# Altium PCB STM32F405.PcbDoc (part 2 of 3) (continued)
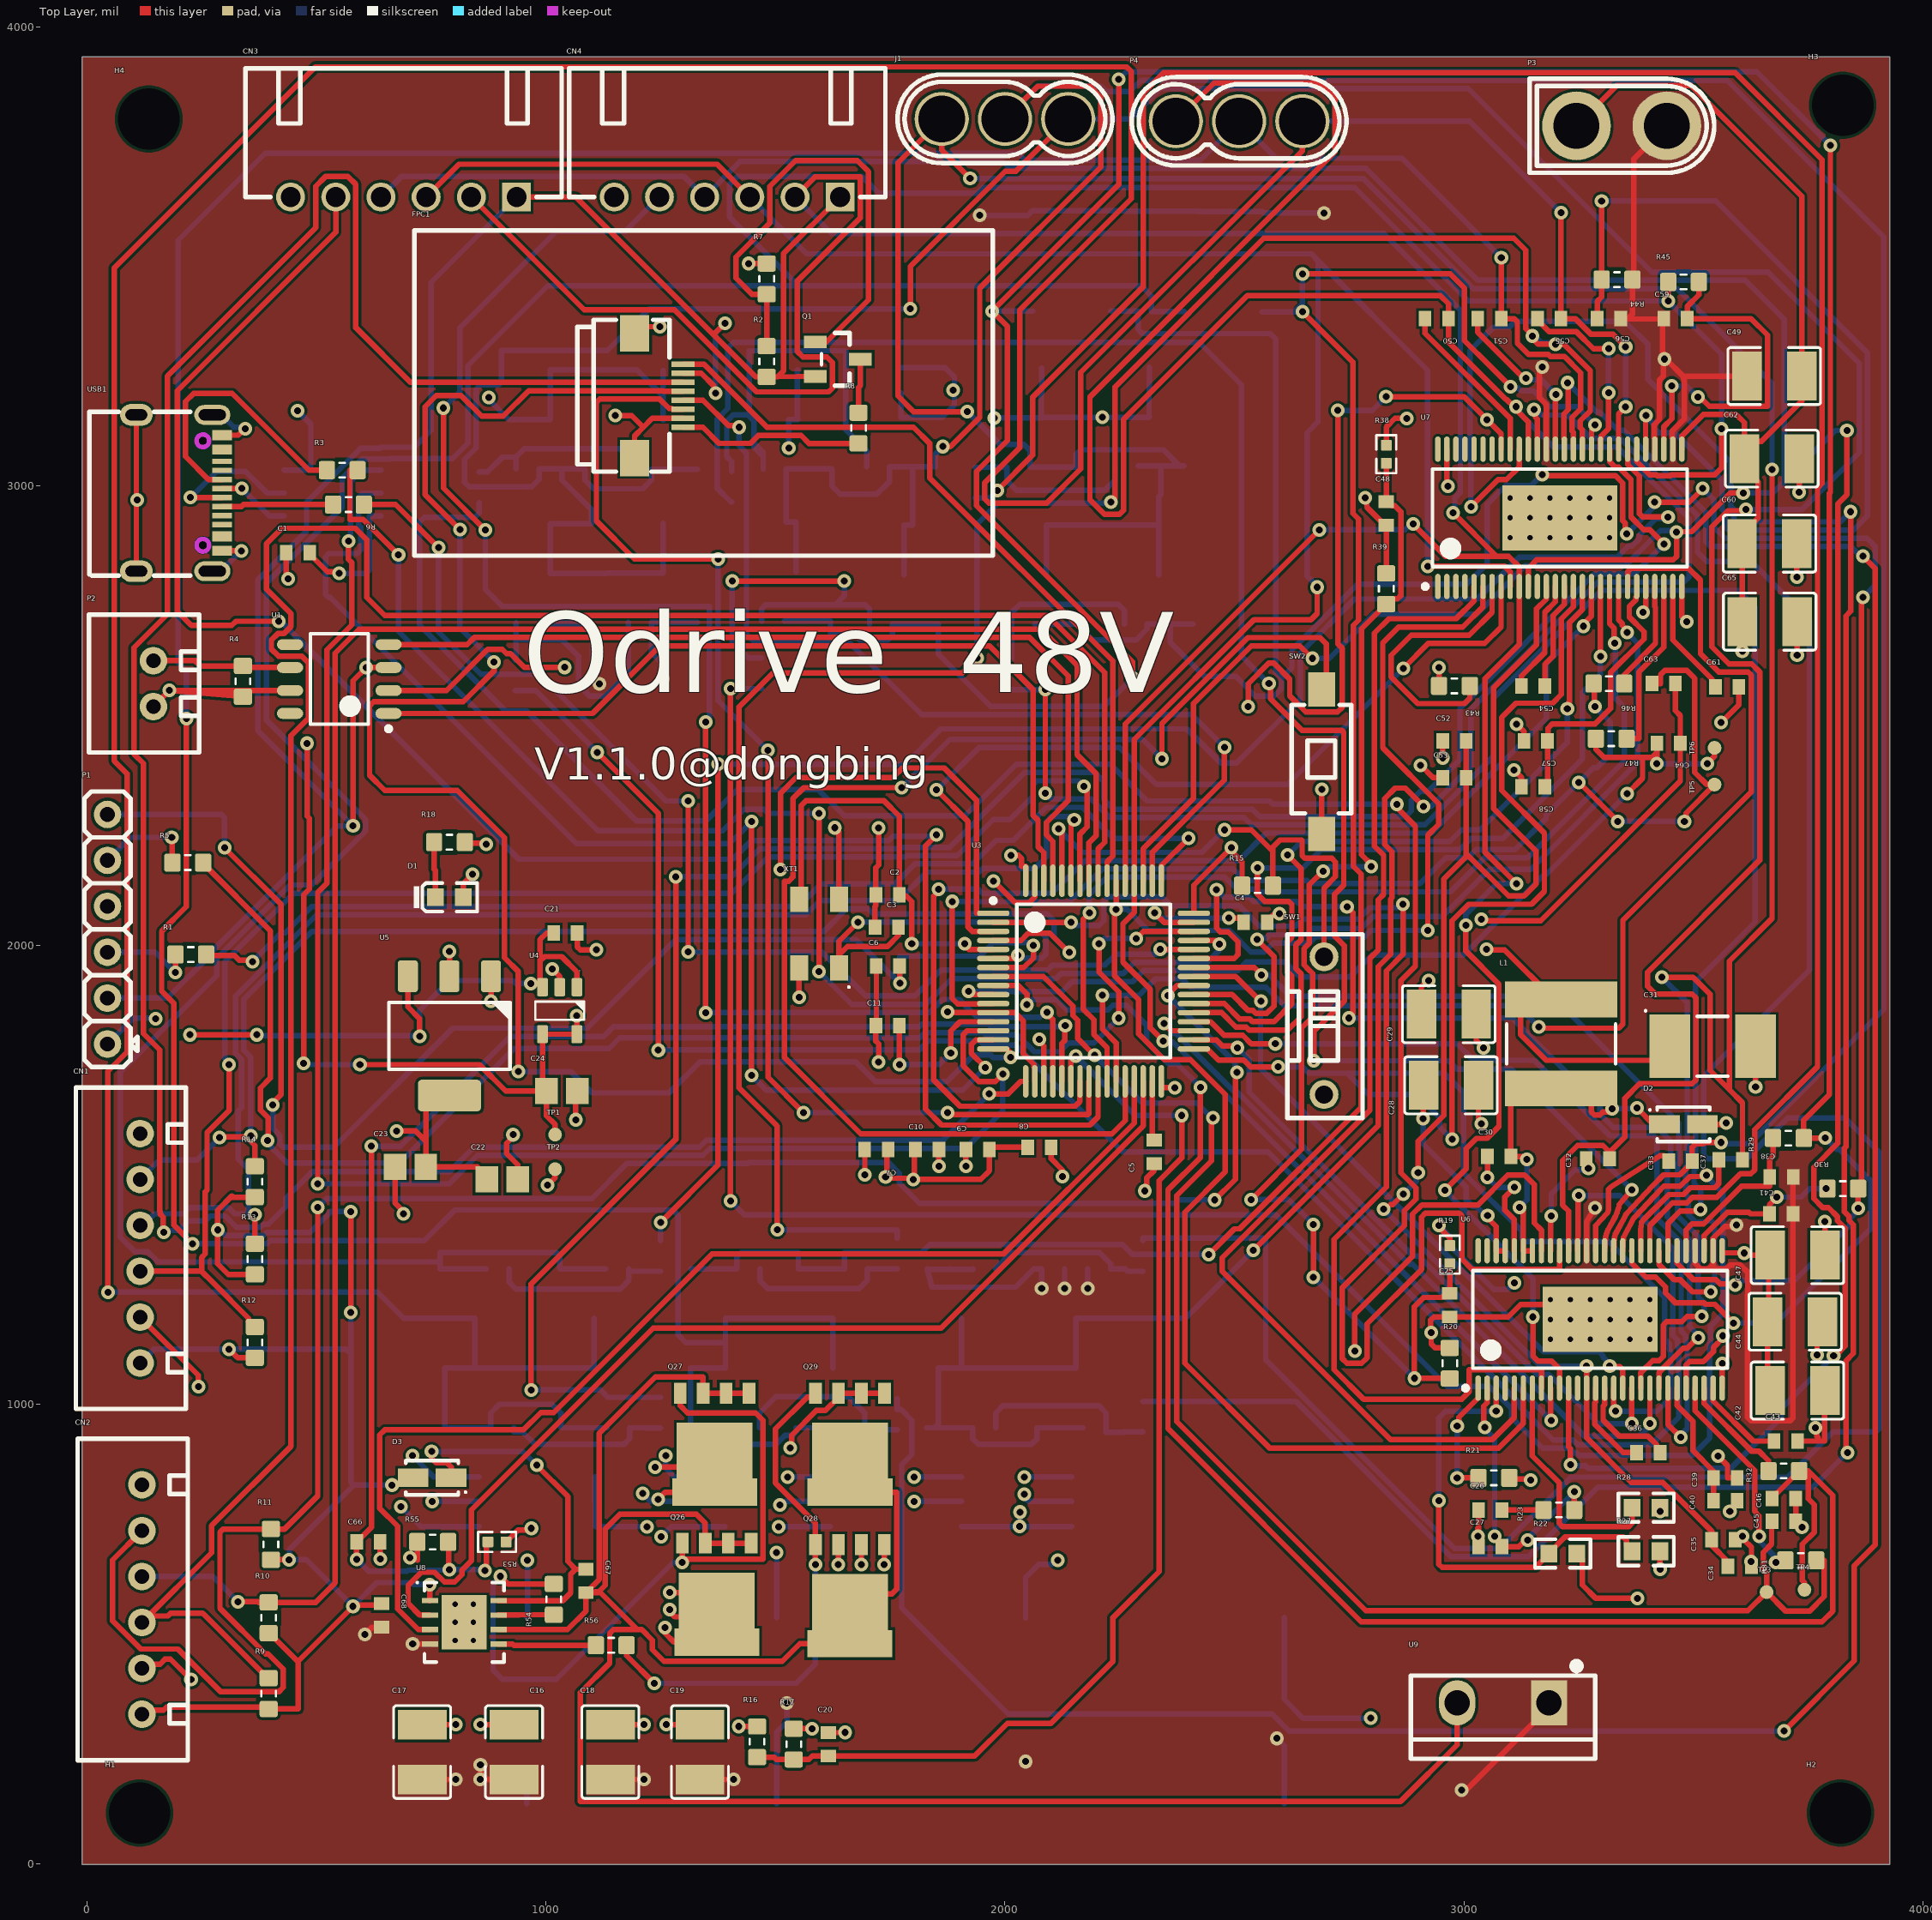
[diagram p0: Top Layer view]
## Nets (pads, with @x,y where several pads share a name; then routed paths per layer and width w, separated by ;. In a path a pad name is that pad's centre, name@x,y a point inside that pad or via, vN(x,y) a via of type N, cw(c..) or ccw(c..) an arc to the next point about the centre after c; other vN are vias at no path point) (continued)
M0_ENC_A_4: CN2.3 R9.1 U3.56 | length 5437.4
  Top Layer w12: CN2.3@120,525 272,677 272,735.92 445,908.92 445,2456.88 483.26,2495.14 483.26,2614.86 468.12,2630 417.31,2630 402.17,2645.14 402.17,2664.86 416.12,2678.81 429.18,2678.81 445,2694.63 445,2722.38 390.99,2776.39 390.99,2874.39 424.99,2908.39 584.99,2908.39 609.99,2883.39 609.99,2757.39 648.99,2718.39 2092.8,2718.39 2216.99,2594.2 2216.99,2224.12 2202.78,2209.91 U3.56@2202.78,2140.56 ; CN2.3@134.35,539 176.49,539 182.49,545 252.61,545 394.15,403.46 R9.1@396.12,403.46
M0_ENC_B_4: CN2.4 R10.1 U3.57 | length 4650.9
  Top Layer w12: v1(329.4,570) 372.87,570 374.4,568.46 R10.1@396.12,568.46 498.46,568.46 541,611 541,2636.4 592.99,2688.39 2078.72,2688.39 2156.96,2610.14 2156.96,2415.41 2198.99,2373.39 2198.99,2239.39 2183.1,2223.5 U3.57@2183.1,2140.56
  Bottom Layer w12: CN2.4@120,625 274.4,625 v1(329.4,570)
M0_ENC_Z_4: CN2.5 R11.1 U3.40 | length 4576.5
  Top Layer w12: CN2.5@120,725 55.99,660.99 55.99,528.56 117.54,467 198.56,467 291.82,373.75 418.18,373.75 427.8,383.37 427.8,423.56 394.84,456.51 389.36,456.51 290,555.88 290,721.43 297.03,728.46 R11.1@401.12,728.46 431.06,728.46 502.99,800.39 v1(502.99,1429.39) ; v1(2354.99,1890.39) 2354.99,1892.39 2374.82,1912.22 U3.40@2411.44,1912.22 ; v1(2456.99,1445.39) 2501.99,1490.39 2501.99,1719.89 v1(2505,1722.9)
  Bottom Layer w12: v1(502.99,1429.39) 521.99,1448.39 1099.99,1448.39 1175.99,1524.39 1439.78,1524.39 1442.39,1527 1746.18,1527 1770,1503.18 1770,1481.82 1813.82,1438 2369.27,1438 2376.66,1445.39 v1(2456.99,1445.39) ; v1(2354.99,1890.39) 2501.56,1743.82 2501.56,1726.34 v1(2505,1722.9)
M0_nCS_4: U3.2 U6.8 | length 2640.6
  Top Layer w12: U3.2@1974.43,2050.02 v1(2143.86,2050.02) ; v1(2866.99,2089.39) 2866.99,1980.39 2830.99,1944.39 2830.99,1473.39 2716.99,1359.39 2716.99,1075.39 2780.99,1011.39 2994.99,1011.39 3010.99,1027.39 3010.99,1075.39 3168.58,1075.39 U6.8@3168.58,1035.39
  Bottom Layer w12: v1(2143.86,2050.02) 2150.49,2043.39 2205.15,2043.39 2215.15,2053.39 2215.15,2095.55 2224.99,2105.39 2341.99,2105.39 2360.99,2086.39 2509.99,2086.39 2554.62,2041.76 2633.04,2041.76 2648.29,2057 2770.1,2057 2794.99,2081.89 2859.49,2081.89 v1(2866.99,2089.39)
M0_SO1_4: C45.2 R31.2 TP3.1 U3.8 | length 3226.1
  Top Layer w12: U3.8@1974.43,1931.9 2083.47,1931.9 2147.99,1867.39 2147.99,1846.94 2158.36,1836.57 2158.36,1797.02 v1(2194.99,1760.39) ; v1(2452.91,1624.6) 2449.6,1621.29 2449.6,1530.6 2374,1455 2374,962.38 2785.99,550.39 3618.24,550.39 TP3.1@3659.02,591.17 ; C45.2@3670.94,745 3669.99,744.04 3669.99,695.83 3651.96,677.8 3651.96,639.36 3659.02,632.3 TP3.1@3659.02,591.17 ; R31.2@3766.93,660 3766.93,660.39 3784.53,660.39 3784.53,581.39 3752.53,549.39 3700.8,549.39 TP3.1@3659.02,591.17
  Bottom Layer w12: v1(2194.99,1760.39) 2298.99,1656.39 2417.8,1656.39 2449.6,1624.6 v1(2452.91,1624.6)
M0_SO2_4: C46.2 R32.2 TP4.1 U3.9 | length 3711.1
  Top Layer w12: U3.9@1974.43,1912.22 2029.16,1912.22 2047.99,1893.39 v1(2047.99,1870.39) ; v1(2425.91,1690.91) 2425.91,1538.12 2354.99,1467.2 2354.99,947.39 2775.99,526.39 3779.99,526.39 3802.99,549.39 3802.99,802 3749.99,855 ; C46.2@3670.94,795 3670.94,797.95 3678.72,805.73 3680.73,805.73 3716.32,841.32 3718.28,841.32 3730,853.03 R32.2@3730,855 3749.99,855 ; TP4.1@3741.53,596.17 3741.53,611.84 3736.99,616.39 3736.99,695.17 3762.92,721.1 3762.92,781.58 3749.99,794.52 3749.99,855
  Bottom Layer w12: v1(2047.99,1870.39) 2058.94,1881.34 2111.95,1881.34 2133.9,1859.39 2224.99,1859.39 2234.99,1869.39 2264.99,1869.39 2309.18,1825.2 2309.18,1789 2356.51,1741.68 2375.14,1741.68 v1(2425.91,1690.91)
M0_TEMP_4: C25.2 C48.2 R19.1 R20.2 R38.1 R39.2 | length 2825.9
  Top Layer w12: v1(2536.58,1446.02) 2645.99,1555.43 2645.99,1819.85 2670,1843.87 2670,1938.49 2661,1947.49 2651.5,1956.98 2651.5,1993.02 2661,2002.51 2663,2004.51 2663,2131.67 v1(2692.99,2161.65) ; v1(2671.89,1276.89) v1(2671.89,1391.89) ; v1(2797.87,2171.28) 2797.87,2176.15 2776.99,2197.03 2776.99,2689.47 2816.91,2729.39 2816.91,2731.36 2828.62,2743.07 R39.2@2830.59,2743.07 2842.19,2754.67 2855.26,2754.67 2862.29,2761.7 2862.29,2944.17 2849.19,2957.26 2842.47,2957.26 2833.55,2966.18 C48.2@2830.59,2966.18 R38.1@2830.59,3050 ; R20.2@2969.02,1056.17 2968.66,1056.53 2892.24,1056.53 v1(2891.89,1056.89) 2891.89,1212.65 2912.07,1232.84 2951.25,1232.84 2952.4,1233.98 2961.24,1233.98 C25.2@2969.02,1241.76 R19.1@2969.02,1306.48
  Bottom Layer w12: v1(2536.58,1446.02) 2617.75,1446.02 v1(2671.89,1391.89) ; v1(2671.89,1276.89) v1(2891.89,1056.89) ; v1(2692.99,2161.65) 2697.86,2161.65 2707.48,2171.28 v1(2797.87,2171.28)
  other v1: 2671.89,1276.89
M0_TEMP（ENC_CS0）_4: CN3.5 U3.25 | length 4034.7
  Top Layer w12: v1(418,2705.81) 324.85,2705.81 315.85,2696.81 227.57,2696.81 196.99,2727.39 196.99,3208.01 542.36,3553.39 CN3.5@542.36,3630 ; v1(1850.99,2240.39) 1827,2216.4 1827,1643.38 1861.99,1608.39 2184.99,1608.39 2202.78,1626.18 U3.25@2202.78,1703.56
  Bottom Layer w12: v1(418,2705.81) 422.57,2705.81 940.99,2187.39 1406.99,2187.39 1447.99,2228.39 1746.99,2228.39 1755.99,2237.39 1847.99,2237.39 v1(1850.99,2240.39)
M1_AH_4: U3.37 U7.17 | length 1698.5
  Top Layer w12: U3.37@2411.44,1853.16 2471.98,1853.16 2503.24,1821.9 2525.3,1821.9 2531.66,1815.55 2616.22,1815.55 2645,1844.32 2645,1938.03 2643,1940.03 2633.5,1949.53 2633.5,2000.47 2643,2009.97 2645,2011.97 2645,2167.38 v1(2615.99,2196.39) ; v1(3225,2515) 3228.44,2518.44 3228.44,2529.47 3230,2531.03 3230,2703.18 3257.95,2731.14 U7.17@3257.95,2781.56
  Bottom Layer w12: v1(2615.99,2196.39) 2645.99,2226.39 2969.35,2226.39 2994.43,2251.47 3034.2,2251.47 3225,2442.27 v1(3225,2515)
M1_AL_4: U3.23 U7.18 | length 2624.1
  Top Layer w12: v1(1854.99,2122.39) 1854.99,2117.52 1845,2107.53 1845,1706.38 1901.99,1649.39 2152.99,1649.39 2163.41,1659.81 U3.23@2163.41,1703.56 ; v1(3260,2695) 3260,2699.87 3277.64,2717.51 U7.18@3277.64,2781.56
  Bottom Layer w12: v1(1854.99,2122.39) 1941.73,2122.39 1951.12,2113 2102.6,2113 2173.99,2184.39 2508.99,2184.39 2568.99,2244.39 2928.99,2244.39 3178.99,2494.39 3178.99,2613.99 v1(3260,2695)
M1_BH_4: U3.38 U7.19 | length 1809.1
  Top Layer w12: U3.38@2411.44,1872.85 2477.75,1872.85 2510.7,1839.9 2532.76,1839.9 2539.11,1833.55 2585.95,1833.55 2625,1872.59 2625,1932.58 2615.5,1942.07 2615.5,2007.93 2625,2017.42 2625,2088.73 2617.97,2095.76 2565.93,2095.76 2549.99,2111.7 v1(2549.99,2168.39) ; v1(3297.31,2628.98) U7.19@3297.32,2781.56
  Bottom Layer w12: v1(2549.99,2168.39) 2648.99,2168.39 2688.99,2208.39 2990.35,2208.39 3014.35,2232.39 3083.99,2232.39 3258,2406.4 3258,2551 3293.51,2586.51 3296.99,2589.98 3297.03,2594.9 v1(3297.31,2628.98)
M1_BL_4: U3.26 U7.20 | length 2139.2
  Top Layer w12: v1(2183.99,2070.39) 2170.86,2057.26 2170.86,1860.52 2193.99,1837.39 2193.99,1805.39 2222.47,1776.91 U3.26@2222.47,1703.56 ; U7.20@3317.01,2781.56 3317.01,2700.37 3326.56,2690.82 3326.56,2659.54 v1(3327.88,2658.21)
  Bottom Layer w12: v1(2183.99,2070.39) 2183.99,2110.23 2222.15,2148.39 2478.99,2148.39 2504.99,2122.39 2544.99,2122.39 2550.99,2116.39 2970.35,2116.39 3044.35,2190.39 3138.29,2190.39 3349.06,2401.16 3349.06,2518.62 3330,2537.67 3330,2656.09 v1(3327.88,2658.21)
M1_CH_4: U3.39 U7.21 | length 1748
  Top Layer w12: U3.39@2411.44,1892.54 2495.03,1892.54 2529.67,1857.9 2540.21,1857.9 2546.57,1851.55 2569.95,1851.55 2585.99,1867.58 2585.99,1975.39 v1(2548.99,2012.39) ; U7.21@3336.69,2781.56 3336.69,2708.93 3344.56,2701.07 3344.56,2697.13 3355.42,2686.26 v1(3355.42,2681.39)
  Bottom Layer w12: v1(2548.99,2012.39) 2552.43,2015.83 2569.87,2015.83 2577.03,2023 2656.03,2023 2669.54,2036.5 2775.52,2036.5 2801.41,2062.39 2952.35,2062.39 3055.35,2165.39 3145.39,2165.39 3378.32,2398.32 3378.32,2657.63 3355.42,2680.53 v1(3355.42,2681.39)
M1_CL_4: U3.27 U7.22 | length 2767.1
  Top Layer w12: v1(2212.53,1890.93) 2212.53,1816.89 2242.15,1787.27 U3.27@2242.15,1703.56 ; v1(3162.77,1821.87) 3165.26,1819.39 3336.99,1819.39 3345.98,1828.38 3345.98,2054.38 3625.99,2334.39 3625.99,2587.97 3618.96,2595 3555,2595 3515,2635 3515,2795.38 3488.99,2821.39 3364.38,2821.39 3356.38,2813.39 U7.22@3356.38,2781.56
  Bottom Layer w12: v1(2212.53,1890.93) 2292.14,1890.93 2328.01,1926.8 2385.99,1926.8 2404.21,1908.59 2568.6,1908.59 2608.8,1868.39 3116.26,1868.39 v1(3162.77,1821.87)
M1_ENC_A_4: CN1.3 R12.1 U3.58 | length 3276.5
  Top Layer w12: CN1.3@116.12,1290 250,1290 ; v1(310,1740) 310,1640.06 262.06,1592.12 262.06,1466.83 258,1462.77 258,1327.59 250,1319.59 250,1290 ; R12.1@366.12,1168.46 364.15,1168.46 352.43,1180.18 352.43,1187.57 275,1265 250,1290 ; U3.58@2163.41,2140.56 2163.41,2242.54 2178.99,2258.12 2178.99,2339.39 v1(2171.99,2346.39)
  Bottom Layer w12: v1(310,1740) 310,1744.87 301,1753.87 301,1964.18 450.19,2113.38 1404.98,2113.38 1483.99,2192.39 1782.99,2192.39 1785.99,2195.39 1895.99,2195.39 1974.51,2273.91 2010.47,2273.91 2060.99,2324.43 2060.99,2349.39 2069.99,2358.39 2159.99,2358.39 v1(2171.99,2346.39)
M1_ENC_B_4: CN1.4 R13.1 U3.59 | length 3000.1
  Top Layer w12: R13.1@366.12,1350 v1(366.12,1412.82) ; U3.59@2143.73,2140.56 2143.73,2152.09 2143.99,2152.09 2143.99,2266.39 v1(2150.99,2273.39)
  Bottom Layer w12: CN1.4@116.12,1390 122.15,1390 147.15,1415 210.9,1415 224.29,1428.39 308.64,1428.39 322.03,1415 v1@352.51,1415 ; v1(366.12,1412.82) 363.94,1415 v1@352.51,1415 ; v1(2150.99,2273.39) 2143.99,2280.39 2100.99,2280.39 2089.99,2269.39 2089.99,2192.39 2064.6,2167 1951.1,2167 1943.49,2159.39 1829.99,2159.39 1767.99,2097.39 1597.01,2097.39 1566.01,2066.39 500.93,2066.39 324,1889.46 324,1764.18 337,1751.18 337,1646.1 330,1639.1 330,1534.01 352.51,1511.5 v1@352.51,1415
M1_ENC_Z_4: CN1.5 R14.1 U3.4 | length 2783.4
  Top Layer w12: v1(289.06,1580.94) 291.09,1582.97 348.69,1582.97 350,1584.29 v1@350,1585 ; v1(357,1585) v1@350,1585 ; R14.1@366.12,1521.83 366.12,1564.01 350,1580.13 v1@350,1585 ; U3.4@1974.43,2010.64 2034.99,2010.64 2050.73,2026.39 2097.99,2026.39 v1(2139.99,1984.39)
  Bottom Layer w12: CN1.5@116.12,1490 158.12,1532 240.12,1532 v1(289.06,1580.94) ; v1(357,1585) 357,1756.64 342,1771.64 342,1882 490.39,2030.39 1605.99,2030.39 1654.99,2079.39 1701.99,2079.39 1712.99,2068.39 2091.99,2068.39 2106.99,2053.39 2106.99,2017.39 v1(2139.99,1984.39)
M1_nCS_4: U3.3 U7.8 | length 1917.1
  Top Layer w12: v1(1850.99,2338.39) 1918.99,2270.39 1918.99,2040.33 1928.99,2030.33 U3.3@1974.43,2030.33 ; v1(2867.99,2603.39) 2921.99,2657.39 3044.79,2657.39 3080.79,2693.39 U7.8@3080.79,2781.56
  Bottom Layer w12: v1(1850.99,2338.39) 1942.99,2430.39 2249.99,2430.39 2329.99,2350.39 2614.99,2350.39 v1(2867.99,2603.39)
M1_SO1_4: C63.2 R46.2 TP5.1 U3.11 | length 2827.1
  Top Layer w12: v1(1884.99,2095.39) 1884.99,1884.39 1896.99,1872.39 1943.53,1872.39 1943.99,1872.85 U3.11@1974.43,1872.85 ; v1(3250,2355) v1(3335,2270) ; R46.2@3282.13,2570 3283.56,2568.56 3283.56,2521.44 v1(3285,2520) ; C63.2@3409.41,2570 3428.1,2570 3428.1,2589.39 3437.45,2598.74 3485.25,2598.74 3502.59,2581.39 3502.59,2530.14 3502.59,2427.65 3502.59,2376.4 3528.99,2350 TP5.1@3545.59,2350 3483.44,2287.85 3483.44,2273.44 v1(3480,2270)
  Bottom Layer w12: v1(1884.99,2095.39) 1943.28,2095.39 1943.67,2095 2140.6,2095 2211.99,2166.39 2496.99,2166.39 2521.99,2141.39 2657.99,2141.39 2664.72,2134.65 2904.07,2134.65 2959.81,2190.39 3008.35,2190.39 3026.35,2208.39 3111.05,2208.39 3178.81,2276.14 3178.81,2283.81 v1(3250,2355) 3282.13,2387.13 3289.8,2387.13 3318.49,2415.82 3318.49,2486.51 v1(3285,2520) ; v1(3335,2270) v1(3480,2270)
M1_SO2_4: C64.2 R47.2 TP6.1 U3.10 | length 2151.7
  Top Layer w12: v1(1920.99,1899.39) 1927.84,1892.53 U3.10@1974.43,1892.53 ; R47.2@3287.13,2450 3287.13,2427.11 3304.99,2409.25 3388.99,2409.25 ; v1(3355,2330) 3388.99,2363.99 3388.99,2409.25 ; v1(3420,2395.39) 3420,2420.26 ; C64.2@3420,2440 3420,2420.26 ; v1(3529.59,2395.39) 3545.59,2411.39 TP6.1@3545.59,2430 ; 3388.99,2409.25 3408.99,2409.25 3420,2420.26
  Bottom Layer w12: v1(1920.99,1899.39) 2124.99,1899.39 2145.99,1920.39 2277.58,1920.39 2301.99,1944.8 2507.4,1944.8 2525.99,1963.39 2609.99,1963.39 2641.99,1931.39 2751.99,1931.39 2798.99,1978.39 2998.39,1978.39 3172.47,2152.47 3177.47,2152.47 v1(3355,2330) ; v1(3420,2395.39) v1(3529.59,2395.39)
M1_TEMP（ENC_CS1）_4: CN4.5 U3.20 | length 3498.8
  Top Layer w12: v1(776.99,3170.39) 776.99,2995.55 v1(868.2,2904.34) ; v1(1347.99,1853.39) v1(1347.99,2486.39) ; v1(2091.87,1854.23) 2091.87,1850.69 2104.36,1838.2 U3.20@2104.36,1703.56
  Bottom Layer w12: v1(776.99,3170.39) 777.32,3170.39 812.32,3205.39 812.32,3344.72 1022.99,3555.39 1172.75,3555.39 CN4.5@1247.36,3630 ; v1(868.2,2904.34) 868.2,2775.18 904.99,2738.39 1355.99,2738.39 1355.99,2494.39 v1(1347.99,2486.39) ; v1(1347.99,1853.39) 1835.21,1853.39 1863.82,1882 1900.2,1882 1936.2,1846 1986.68,1846 1989.29,1843.39 2076.16,1843.39 2087,1854.23 v1(2091.87,1854.23)
NetC1_2: C1.2 U2.8 | length 296.9
  Top Layer w12: C1.2@485.59,2855 485.59,2852.05 524.19,2813.44 546.56,2813.44 v1(550,2810)
  Bottom Layer w12: v1(550,2810) 608.33,2810 615.36,2817.03 615.36,2935 U2.8@641.22,2935
NetC2_1: C2.1 U3.5 XT1.3 | length 923.3
  Top Layer w12: XT1.3@1551.69,2099.8 1551.69,2113.49 1555.99,2113.49 1555.99,2304.09 1566.49,2314.59 1736.78,2314.59 1770,2281.38 C2.1@1770,2110 1770,2107.39 1784.99,2107.39 1796.99,2095.39 v1(1796.99,2003.39) ; v1(1911.99,2003.39) 1911.99,1999.96 1920.99,1990.96 U3.5@1974.43,1990.96
  Bottom Layer w12: v1(1796.99,2003.39) v1(1911.99,2003.39)
NetC3_1: C3.1 U3.6 XT1.1 | length 866.6
  Top Layer w12: XT1.1@1638.31,1950.2 1638.31,1978.71 ; v1(1679.99,2050.39) 1638.31,2008.71 1638.31,1978.71 ; C3.1@1768.2,2039.44 1768.2,2021.39 1744.2,1997.39 1656.99,1997.39 1638.31,1978.71 ; U3.6@1974.43,1971.27 2020.87,1971.27 v1(2027.99,1978.39)
  Bottom Layer w12: v1(1679.99,2050.39) 2056.99,2050.39 2088.99,2018.39 2088.99,1980.39 2080.99,1972.39 2033.99,1972.39 v1(2027.99,1978.39)
NetC4_2: C4.2 U3.47 | length 305.6
  Top Layer w12: v1(2325.84,2070.89) 2346.71,2050.01 U3.47@2411.44,2050.01 ; v1(2487.99,2059.39) 2520,2059.39 C4.2@2520,2050
  Bottom Layer w12: v1(2325.84,2070.89) 2324.34,2069.39 2334.34,2059.39 v1(2487.99,2059.39)
NetC5_2: C5.2 U3.31 | length 132.1
  Top Layer w12: U3.31@2320.89,1703.56 2320.89,1575.59 C5.2@2325,1575.59
NetC11_2: C11.2 U3.13 | length 355.9
  Top Layer w12: v1(1770,1740.39) C11.2@1770,1825 ; v1(1881.99,1765) 1881.99,1813.39 1902.08,1833.48 U3.13@1974.43,1833.48
  Bottom Layer w12: v1(1770,1740.39) 1857.38,1740.39 v1(1881.99,1765)
NetC26_1: C26.1 R23.1 | length 90.4
  Top Layer w12: C26.1@3082.71,770 R23.1@3173.07,770
NetC27_1: C27.1 R23.2 U6.2 | length 613.1
  Top Layer w12: v1(3045,950) 3043,952 3043,996.18 3050.38,1003.56 3050.38,1035.3 U6.2@3050.47,1035.39 ; v1(3066.72,713) 3066.72,708.95 3082.72,692.95 C27.1@3082.72,690 3119.18,690 3133.85,704.66 v1(3138.72,704.66) ; R23.2@3240,770 v1(3239.99,809.39)
  Bottom Layer w12: v1(3045,950) 3045,946.76 3066.72,925.05 v1(3066.72,713) ; v1(3138.72,704.66) 3138.72,708.12 v1(3239.99,809.39)
NetC30_1: C30.1 D2.K L1.1 U6.50 U6.51 | length 823.8
  Top Layer w12: v1(3120.99,1429.39) 3129.21,1421.17 U6.51@3129.21,1334.61 U6.50@3148.9,1334.61 ; v1(3136.99,1533.39) 3130.38,1540 C30.1@3102.13,1540 3102.13,1688.15 L1.1@3211.54,1688.15 3276.99,1688.15 3276.99,1637.39 3284.02,1630.36 3296.02,1630.36 3302.83,1637.17 3317.58,1637.17 3322.99,1642.58 v1(3322.99,1643.52) ; v1(3376.99,1645.39) 3412.38,1610 D2.K@3436.53,1610
  Bottom Layer w12: v1(3120.99,1429.39) 3136.99,1445.39 v1(3136.99,1533.39) ; v1(3322.99,1643.52) 3323.92,1644.46 3376.06,1644.46 v1(3376.99,1645.39)
NetC30_2: C30.2 U6.52 | length 268.1
  Top Layer w12: v1(3050.94,1494.6) C30.2@3050.94,1540 ; U6.52@3109.53,1334.61 3109.53,1402.39 3088.99,1422.93 3088.99,1452.06 v1(3109.53,1472.59)
  Bottom Layer w12: v1(3050.94,1494.6) 3072.95,1472.59 v1(3109.53,1472.59)
NetC32_2: C32.2 U6.48 | length 257.5
  Top Layer w12: U6.48@3188.27,1334.61 3188.27,1408.27 v1(3190,1410) ; C32.2@3265.94,1535 3273.16,1524.27 3268.37,1524.27 3268.37,1516.42 v1(3270.79,1514)
  Bottom Layer w12: v1(3190,1410) 3190,1458.69 3241.86,1510.56 3267.35,1510.56 v1(3270.79,1514)
NetC33_2: C33.2 U6.43 | length 302.6
  Top Layer w12: U6.43@3286.69,1334.61 3286.69,1389.27 3312,1416.82 3315,1425 3315,1468.53 3319.45,1472.98 3424.06,1539.47 cw(c3430.52,1529.37) 3424.13,1539.52 3427.03,1541.37 3430.52,1541.37 3435.49,1541.37 3438.02,1540.8 ccw(c3443.15,1551.65) 3438.16,1540.73 C33.2@3445.94,1530
NetC36_1: C36.1 U6.14 | length 196
  Top Layer w12: U6.14@3286.69,1035.39 3286.6,1035.3 3286.6,1005.24 3285,1003.64 3285,956.51 3346.51,895 C36.1@3375.94,895
NetC36_2: C36.2 U6.15 | length 234.6
  Top Layer w12: U6.15@3306.38,1035.39 3306.28,1035.3 3306.28,999.47 3303,996.18 3303,965.82 3338.43,930.39 3400.99,930.39 3418.99,912.39 3418.99,895 C36.2@3427.12,895
NetC37_2: C37.2 U6.38 | length 318.1
  Top Layer w12: U6.38@3385.12,1334.61 3385.12,1381.49 3386.8,1397.26 3390.5,1401.38 3390.94,1401.85 3446.1,1457 3477.99,1457 3492.99,1472 3546.18,1472 3555,1480.82 3555,1503.18 3554.65,1503.54 3554.65,1532.11 C37.2@3555.33,1532.79
NetC38_2: C38.2 R29.2 U6.33 | length 375.3
  Top Layer w12: U6.33@3483.54,1334.61 3483.54,1380.17 3496.38,1393 3522.05,1393 3603.95,1474.9 3665.94,1474.9 C38.2@3665.94,1495 3665.94,1533.39 3673.07,1540.52 R29.2@3673.07,1580
NetC39_1: C39.1 C40.1 U6.23 | length 278.4
  Top Layer w12: U6.23@3463.86,1035.39 3463.86,997.52 3498.99,962.39 3498.99,899.06 3543.66,854.39 C39.1@3543.66,840 C40.1@3543.66,790
NetC41_2: C41.2 R30.2 U6.31 | length 358.4
  Top Layer w12: U6.31@3522.91,1334.61 3523.01,1334.7 3523.01,1367.76 3573.16,1417.91 3621.16,1417.91 3624.07,1415 C41.2@3665.35,1415 3665.35,1435.39 v1(3681.35,1451.39) ; v1(3788.82,1470) R30.2@3791.53,1470
  Bottom Layer w12: v1(3681.35,1451.39) 3733.99,1451.39 3752.6,1470 v1(3788.82,1470)
NetC43_2: C43.2 U6.27 | length 197
  Top Layer w12: U6.27@3542.6,1035.39 3542.6,1007.36 3629.96,920 C43.2@3675.35,920
NetC50_2: C50.2 U7.48 | length 361.1
  Top Layer w12: C50.2@2915,3365 2915,3333.18 3100.47,3147.71 U7.48@3100.47,3080.77
NetC51_2: C51.2 U7.43 | length 375.4
  Top Layer w12: C51.2@3030,3365 3030,3335.38 3130.38,3235 v1(3135,3235) ; U7.43@3198.9,3080.77 3198.9,3198.9 v1(3200,3200)
  Bottom Layer w12: v1(3135,3235) 3138.44,3231.56 3168.44,3231.56 v1(3200,3200)
NetC54_1: C54.1 U7.14 | length 247.2
  Top Layer w12: C54.1@3125,2565 3125,2586.5 3176,2637.49 3176,2725.55 3198.8,2748.35 3198.8,2781.47 U7.14@3198.9,2781.56
NetC54_2: C54.2 U7.15 | length 234.1
  Top Layer w12: C54.2@3176.18,2565 3176.18,2612.22 3194,2630.04 3194,2718.1 3218.58,2742.68 U7.15@3218.58,2781.56
NetC55_2: C55.2 U7.38 | length 409.8
  Top Layer w12: C55.2@3160,3365 3160,3362.05 3185.78,3336.27 3245.11,3336.27 3281.99,3299.39 v1(3314.99,3299.39) ; U7.38@3297.32,3080.77 3297.32,3102.24 3299.1,3104.02 3299.1,3109.84 3314.99,3125.73 v1(3314.99,3203.21)
  Bottom Layer w12: v1(3314.99,3203.21) v1(3314.99,3299.39)
NetC56_2: C56.2 R44.2 U7.33 | length 2066.5
  Top Layer w12: C56.2@3290,3365 3290,3402.39 3299.74,3412.13 R44.2@3299.74,3449.99 v1(3299.74,3621.39) ; U7.33@3395.75,3080.77 3395.75,3102.24 3395.44,3102.54 3395.44,3153.19 v1(3396.7,3154.46)
  Bottom Layer w12: v1(3299.74,3621.39) 3547.99,3621.39 3878.99,3290.39 3878.99,2935.39 3847.99,2904.39 3576.03,2904.39 3569,2911.42 3569,2942.83 3562.54,2949.29 3562.54,3012.46 3458.99,3116.01 3424.44,3116.01 3415.96,3124.5 3415.96,3132.36 3396.7,3151.61 v1(3396.7,3154.46)
NetC57_1: C57.1 C58.1 U7.23 | length 578.8
  Top Layer w12: C58.1@3176.18,2345 3181.77,2350.59 C57.1@3181.77,2445 3182.7,2445.93 3182.7,2472.7 3192.41,2482.41 3285.6,2482.41 3318.99,2515.81 3318.99,2594.09 3391.99,2667.09 3391.99,2683.01 3360,2715 3360,2738.21 3374.28,2752.49 3374.28,2758.32 U7.23@3375.97,2760
NetC59_2: C59.2 R45.2 U7.31 | length 784.9
  Top Layer w12: U7.31@3435.02,3102.33 3434.81,3102.54 3434.81,3128.93 3452.67,3146.79 v1(3452.67,3218.36) ; v1(3509,3194.39) 3513.87,3194.39 3533.87,3174.39 3660.99,3174.39 3660.99,3329 3624.99,3365 C59.2@3486.18,3365 3486.18,3391.39 3511.67,3416.88 R45.2@3511.67,3444.99
  Bottom Layer w12: v1(3452.67,3218.36) 3453.27,3217.76 3485.63,3217.76 v1(3509,3194.39)
NetC61_2: C61.2 U7.27 | length 256.9
  Top Layer w12: U7.27@3454.8,2781.56 3454.8,2665.2 3539.74,2580.26 3539.74,2570.89 C61.2@3547.52,2563.11
NetC67_1: C67.1 Q26.S Q27.S Q28.D Q29.D U8.6 U9.2 | length 5383.4
  Top Layer w12: U8.6@896.81,509.5 1047.31,509.5 1087.2,549.39 C67.1@1087.2,589.66 ; Q27.S@1442.48,1024.34 Q27.S@1392.48,1024.34 Q27.S@1342.48,1024.34 1342.48,1059.39 1238.55,1059.39 1115.99,936.83 1115.99,618.44 C67.1@1087.2,589.66 ; Q26.S@1447.2,697.53 Q26.S@1397.2,697.53 Q26.S@1347.2,697.53 1347.2,741.39 1328.17,760.42 1160.99,760.42 1128.99,728.42 1128.99,605.66 1115.99,592.66 ; Q29.D@1662.48,917.06 Q29.D@1662.48,863.91 Q29.D@1662.48,808.79 1763.99,808.79 1763.99,597.39 1753.66,587.06 Q28.D@1662.2,587.06 Q28.D@1662.2,533.91 Q28.D@1662.2,478.79 1553.39,478.79 1514.99,440.39 1256.99,440.39 1231.99,465.39 1231.99,486.39 1208.99,509.39 1199.03,509.39 ; U9.2@2985,350 2985,258.39 2862,135.39 1074.99,135.39 1074.99,372.39 1138.99,436.39 1138.99,501.39 1146.99,509.39 1199.03,509.39 ; C67.1@1087.2,589.66 1115.99,592.66 ; C67.1@1087.2,589.66 1112.99,589.66 1115.99,592.66 ; 1115.99,592.66 1199.03,509.39
NetC67_2: C67.2 D3.K U8.8 | length 835
  Top Layer w12: v1(750.99,897.39) 750.99,882.39 760.99,872.39 784.99,872.39 793.99,863.39 793.99,840.25 D3.K@793.54,840.25 ; U8.8@896.81,572.49 1037.09,572.49 1053.99,589.39 1053.99,629.84 1064.99,640.84 ; v1(979.99,867.39) 1047.99,799.39 1047.99,657.84 1064.99,640.84 ; C67.2@1087.2,640.84 1064.99,640.84
  Bottom Layer w12: v1(750.99,897.39) 949.99,897.39 v1(979.99,867.39)
NetD1_K: D1.K R18.2 | length 121.3
  Top Layer w12: R18.2@756.54,2224.62 756.54,2165.54 759.69,2162.39 D1.K@759.69,2104.63
NetP1_3: P1.3 R1.1 | length 206
  Top Layer w12: v1(192.99,1940.47) 193.07,1940.55 R1.1@193.07,1980
  Bottom Layer w12: P1.3@45,1985 148.46,1985 v1(192.99,1940.47)
NetP1_5: P1.5 R5.1 | length 216.3
  Top Layer w12: v1(185,2235) 185.77,2234.23 185.77,2180.77 R5.1@186.53,2180
  Bottom Layer w12: P1.5@45,2185 95,2235 v1(185,2235)
NetP2_1: P2.1 R4.2 U1.7 | length 522.3
  Top Layer w12: P2.1@145,2520 v1(180,2555) ; R4.2@340,2541.54 v1(180,2555) ; U1.7@442.71,2555 v1(180,2555)
  Bottom Layer w12: P2.1@145,2520 v1(180,2555)
NetP2_2: P2.2 R4.1 U1.6 | length 306
  Top Layer w12: P2.2@145,2620 235.99,2620 247.53,2608.46 R4.1@340,2608.46 340,2605 U1.6@442.71,2605
NetQ1_1: Q1.1 R2.1 R7.2 | length 1106.7
  Top Layer w12: R2.1@1481.03,3305.1 1481.03,3361.39 R7.2@1481.02,3418.17 1448.99,3418.17 1413.99,3453.17 1413.99,3499.39 1487.99,3573.39 1487.99,3653.39 1543.99,3709.39 1678.56,3709.39 1702.56,3685.39 1702.56,3405.61 1610.99,3314.03 Q1.1@1586.81,3314.03
NetQ1_3: Q1.3 R8.2 | length 118.3
  Top Layer w12: R8.2@1681.02,3160.1 1681.02,3215.39 1685.24,3219.6 Q1.3@1685.24,3276.63
NetQ2_G: Q2.G Q3.G R24.1 | length 405.7
  Bottom Layer w12: R24.1@855,3031.03 873,3031.03 905.37,3063.4 932.99,3063.4 935,3061.39 ; Q2.G@935,3038.07 935,3061.39 ; Q3.G@1180,3036.54 1180,3062.38 1160.99,3081.39 952.99,3081.39 935,3063.4 935,3061.39
NetQ4_G: Q4.G Q5.G R25.1 | length 973.5
  Bottom Layer w12: R25.1@1405,3032.56 1405,3053.39 1393.99,3064.4 1393.99,3141.39 1407.99,3155.39 1439.65,3155.39 1453.65,3141.39 ; Q5.G@1473.33,3038.07 1473.33,3064.71 ; Q4.G@1698.78,3042.44 1698.78,3077.39 1652.99,3123.18 1652.99,3295.15 1442.99,3295.15 1442.99,3164.39 1453.65,3153.72 1453.65,3141.39 ; 1453.65,3094.07 1453.65,3141.39 ; 1453.65,3094.07 1453.65,3084.39 1473.33,3064.71 ; 1453.65,3094.07 1473.33,3074.39 1473.33,3064.71
NetQ6_G: Q6.G Q7.G R26.1 | length 382.9
  Bottom Layer w12: R26.1@1935,3041.03 1968.99,3041.03 1969.5,3041.54 Q6.G@2004.73,3041.54 2004.73,3011.65 2024.99,2991.39 2217.73,2991.39 2239.73,3013.39 Q7.G@2239.73,3043.98
NetQ8_G: Q8.G Q9.G R33.1 | length 388.3
  Bottom Layer w12: R33.1@2015,2624.1 Q8.G@2015,2700 2015,2725.39 2032.25,2742.64 2246.75,2742.64 2260,2729.39 Q9.G@2260,2700
NetQ10_G: Q10.G Q11.G R34.1 | length 816.2
  Top Layer w12: v1(1405.99,2793.39) v1(1649.99,2793.39)
  Bottom Layer w12: v1(1405.99,2793.39) 1405.99,2661.39 1441.35,2626.03 R34.1@1470,2626.03 ; Q10.G@1470,2706.54 1470,2733.39 1478,2741.39 1629.99,2741.39 ; v1(1649.99,2793.39) 1649.99,2761.39 1629.99,2741.39 ; Q11.G@1705,2700 1705,2732.39 1696,2741.39 1629.99,2741.39
NetQ12_G: Q12.G Q13.G R35.1 | length 551.4
  Bottom Layer w12: R35.1@932.79,2621.59 935,2621.59 935,2676.38 ; Q12.G@935,2702.69 935,2676.38 ; Q13.G@1180,2703.54 1180,2593.4 1128.99,2542.39 1095.99,2542.39 1070.99,2567.39 1070.99,2629.39 1033.99,2666.39 944.99,2666.39 935,2676.38
NetQ14_G: Q14.G Q15.G R40.1 | length 407.9
  Bottom Layer w12: Q15.G@1980,948.98 1980,981.39 1996,997.39 2204,997.39 2220,981.39 Q14.G@2220,948.98 2220,939.39 2259.82,939.39 2260.31,939.88 R40.1@2300,939.88
NetQ16_G: Q16.G Q17.G R41.1 | length 395.7
  Bottom Layer w12: Q17.G@1465.28,948.97 1465.28,981.39 1500.87,1016.98 1659.13,1016.98 1694.72,981.39 Q16.G@1694.72,948.97 1726.99,948.97 1731.08,944.88 R41.1@1765,944.88
NetQ18_G: Q18.G Q19.G R42.1 | length 368.6
  Bottom Layer w12: Q19.G@930,948.98 930,940.39 948.99,940.39 975.99,913.39 1170.65,913.39 1182.65,925.39 Q18.G@1182.65,948.97 1215.99,948.97 1216.62,948.35 R42.1@1250,948.35
NetQ20_G: Q20.G Q21.G R48.1 | length 397.9
  Bottom Layer w12: Q21.G@920,1295 920,1266.39 935,1251.39 1162.27,1251.39 1180.27,1269.39 Q20.G@1180.27,1289.88 ; Q20.G@1180.27,1295 Q20.G@1180.27,1289.88 ; R48.1@1250,1289.88 Q20.G@1180.27,1289.88
NetQ22_G: Q22.G Q23.G R49.1 | length 364.1
  Bottom Layer w12: Q23.G@1466.22,1295 1466.22,1269.39 1483.22,1252.39 1683,1252.39 1700,1269.39 Q22.G@1700,1295 1731.99,1295 1732.11,1294.88 R49.1@1765,1294.88
NetQ24_G: Q24.G Q25.G R50.1 | length 358.6
  Bottom Layer w12: Q25.G@1980.27,1295 1980.27,1296.39 2014.27,1330.39 2205.99,1330.39 2230,1306.38 Q24.G@2230,1295 2261.99,1295 2267.11,1289.88 R50.1@2300,1289.88
NetQ26_G: Q26.G Q27.G R54.1 | length 1603.8
  Top Layer w12: v1(900.99,625.39) 917.67,608.71 R54.1@1017.2,608.71 ; Q27.G@1292.48,1024.34 1292.48,997.39 1308.48,981.39 1456.99,981.39 1472.99,965.39 1472.99,662.39 v1@1303.99,662.39 ; v1(1296.99,655.39) v1@1303.99,662.39 ; Q26.G@1297.2,697.53 1297.2,662.39 v1@1303.99,662.39
  Bottom Layer w12: v1(900.99,625.39) 884.99,609.39 884.99,421.39 904.99,401.39 1022.99,401.39 1276.99,655.39 v1(1296.99,655.39)